# Altium PCB PCB-Tester-Board.PcbDoc (part 3 of 7) (continued)
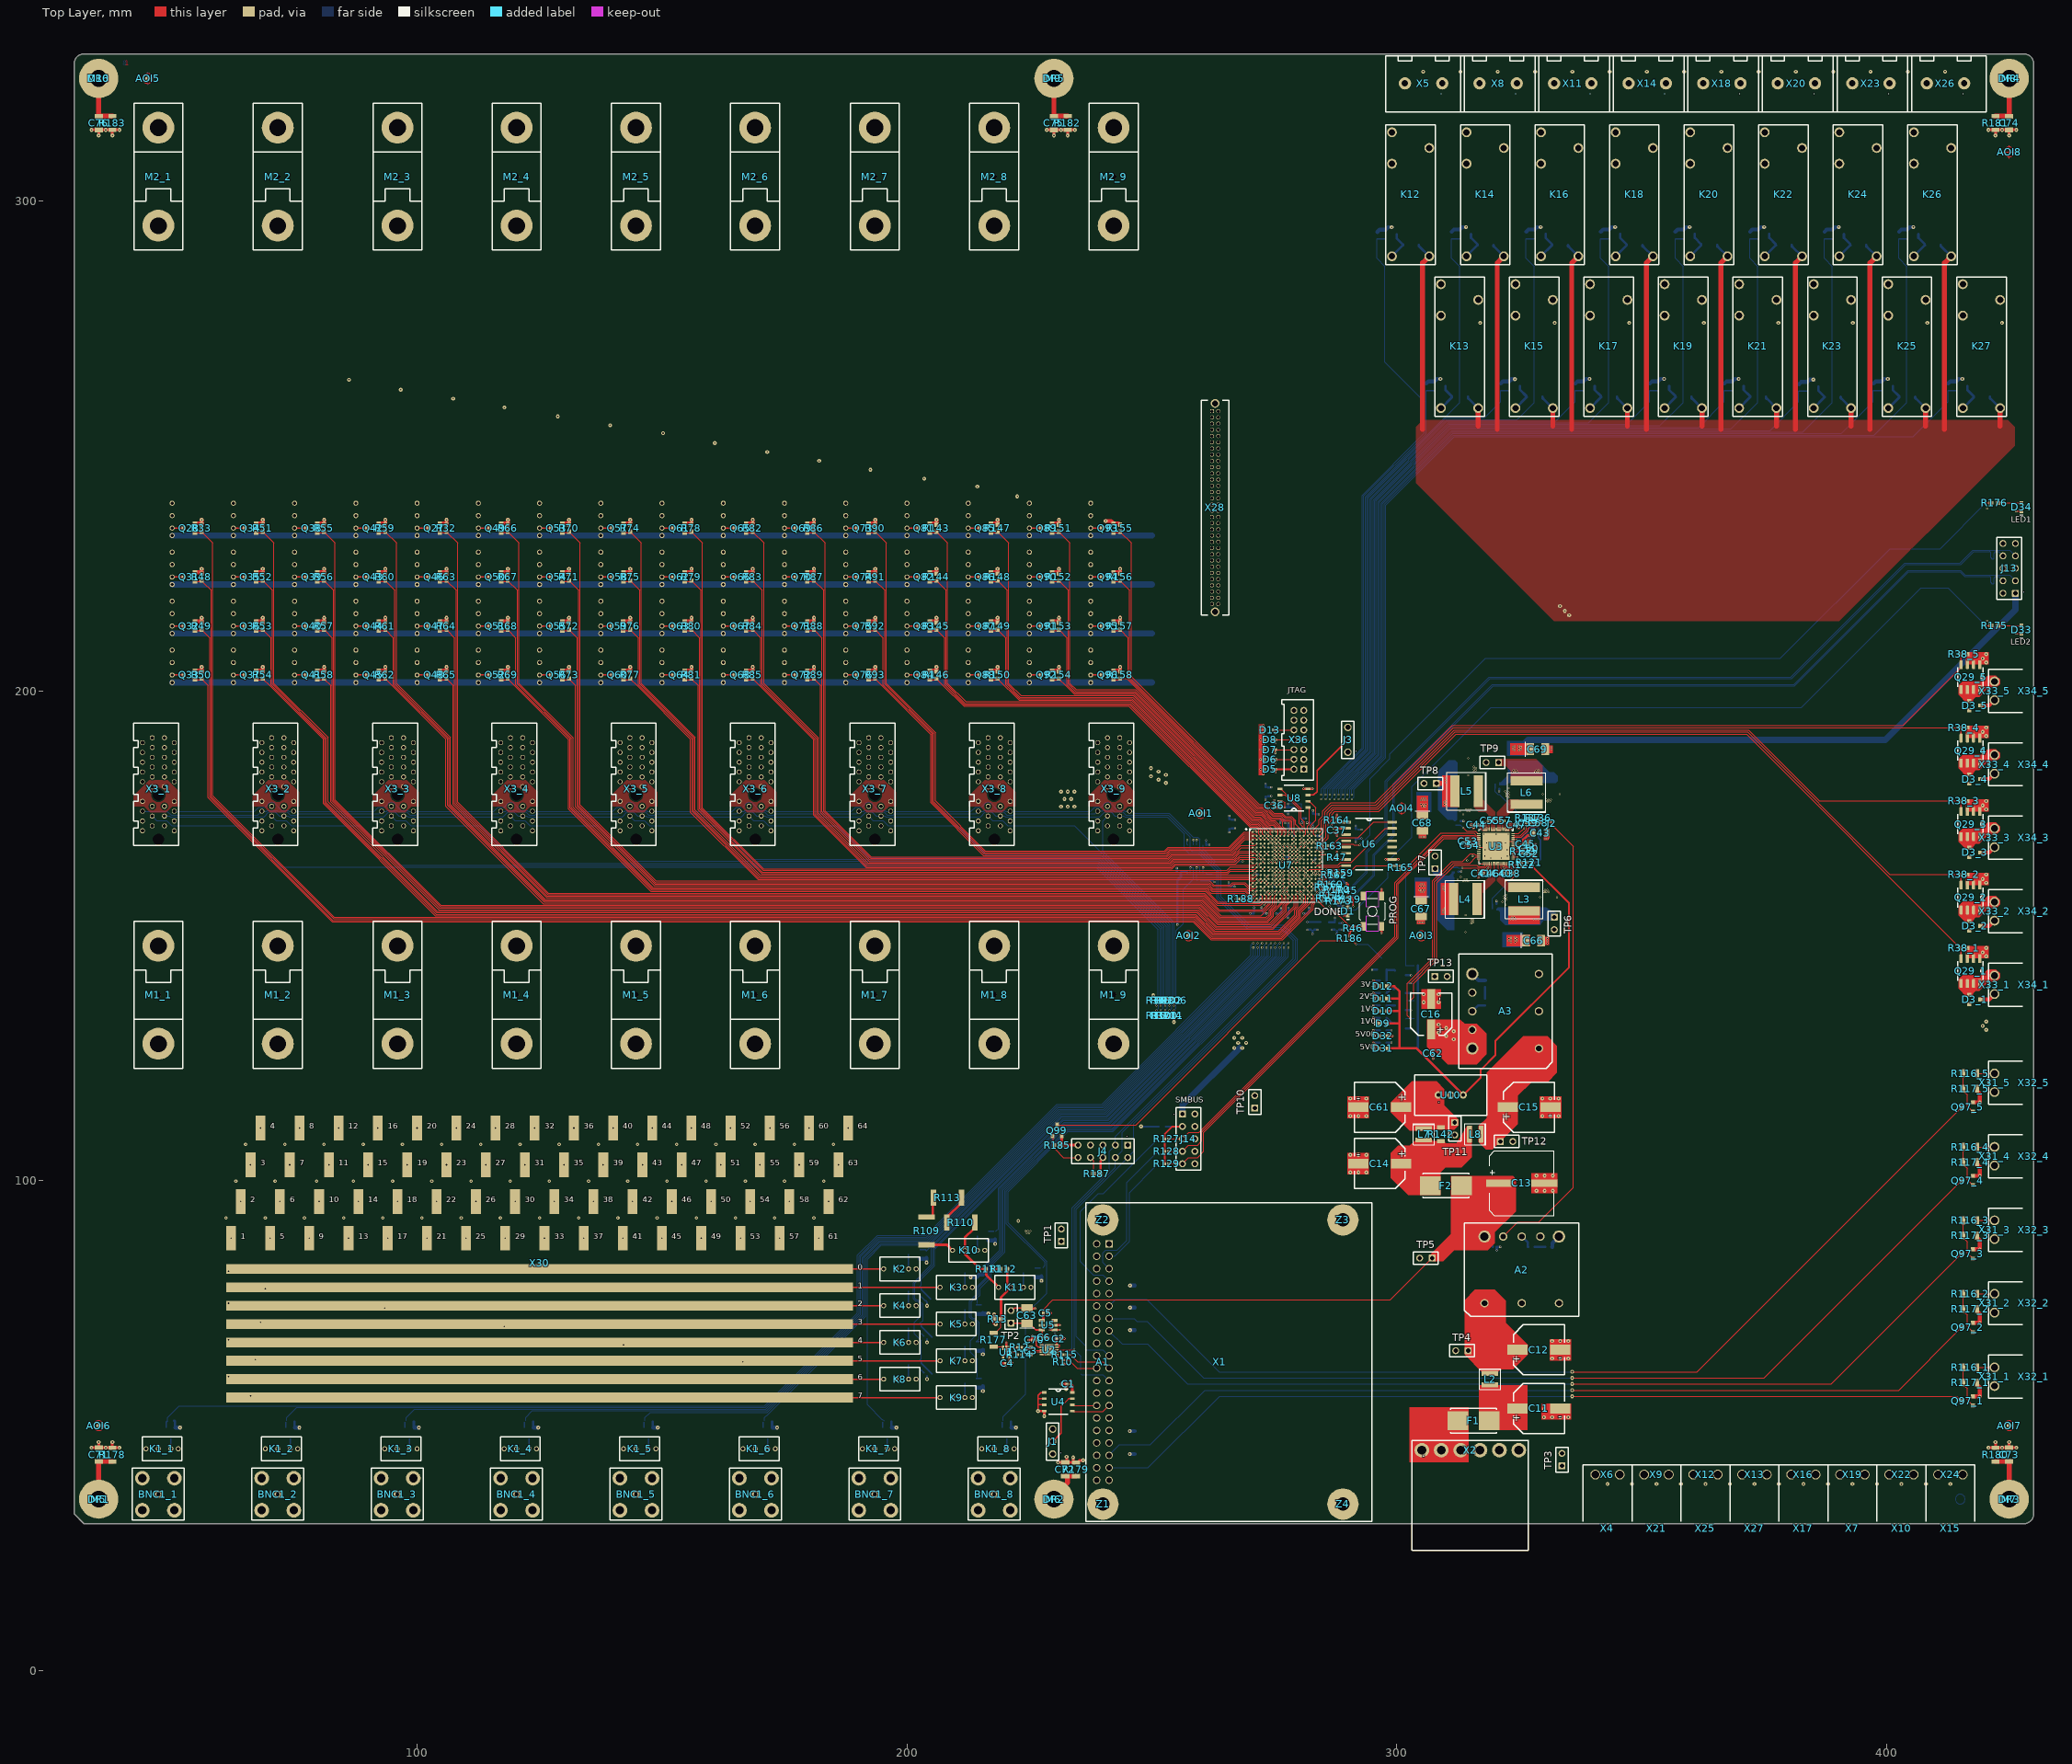
[diagram p0: Top Layer view]
## Nets (pads, with @x,y where several pads share a name; then routed paths per layer and width w, separated by ;. In a path a pad name is that pad's centre, name@x,y a point inside that pad or via, vN(x,y) a via of type N, cw(c..) or ccw(c..) an arc to the next point about the centre after c; other vN are vias at no path point) (continued)
  Top Layer w0.508: C4.1@221.041,62.8 v1(221.475,62.8)
  Bottom Layer w0.381: v1(328.025,164.999) 328.673,164.999 329.307,165.633 329.307,169.593 R125.2@328.9,170 R132.2@328.9,171 R139.2@328.9,172
  Bottom Layer w0.47: R138.2@304.3,143.92 R131.2@304.3,140.32 R124.2@304.3,136.783 R120.2@304.3,133.1 304.3,126.74 U10.3@313.54,117.5
5V0_ref_3: C6.1 C63.1 TP2.1 U2.1 U5.6 | length 10
  Top Layer w0.203: U2.1@227.5,66.5 227.552,66.5 227.6,66.548 C6.1@227.6,68
  Top Layer w0.25: TP2.1@221.227,70.95 C63.1@224.5,70.95
  Top Layer w0.305: C63.1@224.5,70.95 224.9,70.95 225.548,70.302 225.548,70.294 226.292,69.55 U5.6@227.5,69.55 227.6,69.45 C6.1@227.6,68
5V0R: A3.7 A3.8 C16.1 C62.1 D14.2 D15.2 D16.2 D17.2 D18.2 D19.2 D20.2 D21.2 D22.2 D23.2 D24.2 D25.2 D26.2 D27.2 D28.2 D29.2 D32.1 K1_1.1 K1_2.1 K1_3.1 K1_4.1 K1_5.1 K1_6.1 K1_7.1 K1_8.1 K2.1 K3.1 K4.1 K5.1 K6.1 K7.1 K8.1 K9.1 K10.1 K11.1 K12.1 K13.1 K14.1 K15.1 K16.1 K17.1 K18.1 K19.1 K20.1 K21.1 K22.1 K23.1 K24.1 K25.1 K26.1 K27.1 K28.1 K29.1 K30.1 K31.1 K32.1 K33.1 K34.1 K35.1 K36.1 K37.1 K38.1 K39.1 K40.1 K41.1 K42.1 K43.1 K44.1 K45.1 K46.1 K47.1 K48.1 K49.1 K50.1 K51.1 K52.1 K53.1 K54.1 K55.1 K56.1 K57.1 K58.1 K59.1 K60.1 K61.1 K62.1 K63.1 K64.1 K65.1 K66.1 K67.1 K68.1 K69.1 K70.1 K71.1 K72.1 K73.1 K74.1 K75.1 K76.1 K77.1 K78.1 K79.1 K80.1 K81.1 K82.1 K83.1 K84.1 K85.1 K86.1 K87.1 K88.1 K89.1 K90.1 K91.1 TP13.1 X3_1.A7 X3_1.A8 X3_1.A9 X3_1.B7 X3_1.B8 X3_1.B9 X3_2.A7 X3_2.A8 X3_2.A9 X3_2.B7 X3_2.B8 X3_2.B9 X3_3.A7 X3_3.A8 X3_3.A9 X3_3.B7 X3_3.B8 X3_3.B9 X3_4.A7 X3_4.A8 X3_4.A9 X3_4.B7 X3_4.B8 X3_4.B9 X3_5.A7 X3_5.A8 X3_5.A9 X3_5.B7 X3_5.B8 X3_5.B9 X3_6.A7 X3_6.A8 X3_6.A9 X3_6.B7 X3_6.B8 X3_6.B9 X3_7.A7 X3_7.A8 X3_7.A9 X3_7.B7 X3_7.B8 X3_7.B9 X3_8.A7 X3_8.A8 X3_8.A9 X3_8.B7 X3_8.B8 X3_8.B9 X3_9.A7 X3_9.A8 X3_9.A9 X3_9.B7 X3_9.B8 X3_9.B9 | length 1270.3
  Top Layer w0.508: D32.1@298.005,129.54 v1(299.104,129.54)
  Top Layer w1.016: 305.26,253.4 305.26,287.34 K12.1@306.62,288.7 ; 316.62,254.06 K13.1@316.62,257.7 ; 320.48,253.4 320.48,287.34 K14.1@321.84,288.7 ; 331.84,254.06 K15.1@331.84,257.7 ; 335.7,253.4 335.7,287.34 K16.1@337.06,288.7 ; 347.06,254.06 K17.1@347.06,257.7 ; 350.92,253.4 350.92,287.34 K18.1@352.28,288.7 ; 362.28,254.06 K19.1@362.28,257.7 ; 366.14,253.4 366.14,287.34 K20.1@367.5,288.7 ; 377.5,254.06 K21.1@377.5,257.7 ; 381.36,253.4 381.36,287.34 K22.1@382.72,288.7 ; 392.72,254.06 K23.1@392.72,257.7 ; 396.58,253.4 396.58,287.34 K24.1@397.94,288.7 ; 407.94,254.06 K25.1@407.94,257.7 ; 411.8,253.4 411.8,287.34 K26.1@413.16,288.7 ; 423.16,254.06 K27.1@423.16,257.7
  Inner4 w2.54: A3.8@315.4,127 325.906,137.506 325.906,144.075 327.394,145.563 331.17,145.563 335.3,149.692 335.3,215.3 v2(335.167,215.433) v2(334.3,216.3) v2(333.3,217.3)
  Bottom Layer w0.508: D14.2@304.5,291 304.5,290.736 304.591,290.644 304.675,290.644 K12.1@306.62,288.7 ; D15.2@314.5,260 314.5,259.736 314.591,259.644 314.675,259.644 K13.1@316.62,257.7 ; D16.2@319.72,291 319.72,290.736 319.811,290.644 319.895,290.644 K14.1@321.84,288.7 ; D17.2@329.72,260 329.72,259.736 329.811,259.644 329.895,259.644 K15.1@331.84,257.7 ; D18.2@334.94,291 334.94,290.736 335.031,290.644 335.115,290.644 K16.1@337.06,288.7 ; D19.2@344.94,260 344.94,259.736 345.031,259.644 345.115,259.644 K17.1@347.06,257.7 ; D20.2@350.16,291 350.16,290.736 350.251,290.644 350.335,290.644 K18.1@352.28,288.7 ; D21.2@360.16,260 360.16,259.736 360.251,259.644 360.335,259.644 K19.1@362.28,257.7 ; D22.2@365.38,291 365.38,290.736 365.471,290.644 365.555,290.644 K20.1@367.5,288.7 ; D23.2@375.38,260 375.38,259.736 375.471,259.644 375.555,259.644 K21.1@377.5,257.7 ; D24.2@380.6,291 380.6,290.736 380.691,290.644 380.775,290.644 K22.1@382.72,288.7 ; D25.2@390.6,260 D25.2@390.6,259.868 390.6,259.736 390.691,259.644 390.775,259.644 K23.1@392.72,257.7 ; D26.2@395.82,291 395.82,290.736 395.911,290.644 395.995,290.644 K24.1@397.94,288.7 ; D27.2@405.82,260 405.82,259.736 405.911,259.644 405.995,259.644 K25.1@407.94,257.7 ; D28.2@411.04,291 411.04,290.736 411.131,290.644 411.215,290.644 K26.1@413.16,288.7 ; D29.2@421.04,260 421.04,259.736 421.131,259.644 421.215,259.644 K27.1@423.16,257.7
  Bottom Layer w1.27: K31.1@50,201.698 K35.1@62.5,201.698 K39.1@75,201.698 K43.1@87.5,201.698 K47.1@100,201.698 K51.1@112.5,201.698 K55.1@125,201.698 K59.1@137.5,201.698 K63.1@150,201.698 K67.1@162.5,201.698 K71.1@175,201.698 K75.1@187.5,201.698 K79.1@200,201.698 K83.1@212.5,201.698 K87.1@225,201.698 K91.1@237.5,201.698 250,201.698 ; K30.1@50,211.698 K34.1@62.5,211.698 K38.1@75,211.698 K42.1@87.5,211.698 K46.1@100,211.698 K50.1@112.5,211.698 K54.1@125,211.698 K58.1@137.5,211.698 K62.1@150,211.698 K66.1@162.5,211.698 K70.1@175,211.698 K74.1@187.5,211.698 K78.1@200,211.698 K82.1@212.5,211.698 K86.1@225,211.698 K90.1@237.5,211.698 250,211.698 ; K29.1@50,221.698 K33.1@62.5,221.698 K37.1@75,221.698 K41.1@87.5,221.698 K45.1@100,221.698 K49.1@112.5,221.698 K53.1@125,221.698 K57.1@137.5,221.698 K61.1@150,221.698 K65.1@162.5,221.698 K69.1@175,221.698 K73.1@187.5,221.698 K77.1@200,221.698 K81.1@212.5,221.698 K85.1@225,221.698 K89.1@237.5,221.698 250,221.698 ; K28.1@50,231.698 K32.1@62.5,231.698 K36.1@75,231.698 K40.1@87.5,231.698 K44.1@100,231.698 K48.1@112.5,231.698 K52.1@125,231.698 K56.1@137.5,231.698 K60.1@150,231.698 K64.1@162.5,231.698 K68.1@175,231.698 K72.1@187.5,231.698 K76.1@200,231.698 K80.1@212.5,231.698 K84.1@225,231.698 K88.1@237.5,231.698 250,231.698
  other v1: 224.471,89.294 224.954,89.294 224.217,89.7 224.7,89.7 225.183,89.7
  other v2: 311.619,128.869 310.079,129.546 308.54,130.223 311.619,130.52 310.079,131.197 308.54,131.874 252.879,181.195 251.34,181.872 249.8,182.549 252.879,182.846 251.34,183.523 249.8,184.2
12V0: A2.8 C5.1 C7.1 C8.1 C13.1 C18.1 C19.1 C20.1 C21.1 C22.1 C23.1 C38.1 C39.1 C41.1 C43.1 C44.1 C45.1 C47.1 F2.1 J2.1 J14.1 TP5.1 U3.1 U3.12 U3.32 U3.39 U3.49 U5.4 X3_1.A11 X3_1.A12 X3_1.B11 X3_1.B12 X3_2.A11 X3_2.A12 X3_2.B11 X3_2.B12 X3_3.A11 X3_3.A12 X3_3.B11 X3_3.B12 X3_4.A11 X3_4.A12 X3_4.B11 X3_4.B12 X3_5.A11 X3_5.A12 X3_5.B11 X3_5.B12 X3_6.A11 X3_6.A12 X3_6.B11 X3_6.B12 X3_7.A11 X3_7.A12 X3_7.B11 X3_7.B12 X3_8.A11 X3_8.A12 X3_8.B11 X3_8.B12 X3_9.A11 X3_9.A12 X3_9.B11 X3_9.B12 | length 115.4
  Top Layer w0.203: C5.1@227.85,73 227.85,73.75 229.8,75.7 298.7,75.7 TP5.1@307.2,84.2
  Top Layer w0.22: v1(318.642,163.855) 318.85,164.062 U3.32@318.85,164.75 ; U3.39@321.65,164.75 321.65,164.062 v1(321.858,163.855) ; U3.49@323.75,168.05 324.733,168.05 325.023,168.34
  Top Layer w0.254: v1(331.076,173.212) J2.1@331.622,173.212
  Top Layer w0.381: 317.779,163.119 318.05,163.39 318.177,163.39 ; v1@322.45,163.39 322.721,163.119 ; 325.023,168.34 325.349,168.665 325.766,168.665 C45.1@325.85,168.75
  Top Layer w0.406: 318.177,163.39 v1(318.642,163.855) ; v1(321.858,163.855) 322.323,163.39
  Top Layer w0.508: U5.4@227.5,71.45 227.794,71.45 227.85,71.506 C5.1@227.85,73 ; C45.1@325.85,168.75 325.85,169.64 326.707,170.497 327.629,170.497 327.85,170.718 C43.1@327.85,171
  Bottom Layer w0.508: C39.1@319.579,86.521 C39.1@319.6,86.5
  Bottom Layer w1.27: J14.1@256.23,113.62 256.23,115.44 267.9,127.11
  other v1: 317.449,163.398 317.906,163.398 322.594,163.398 323.051,163.398 318.325,163.524 322.175,163.524 327.025,170.485 317.45,172.434 317.925,172.434 322.575,172.434 323.05,172.434 317.45,173 317.932,173 322.568,173 323.05,173
  other v2: 266.807,127.11 268.458,127.11 267.577,128.14 269.228,128.14 266.807,129.169 268.458,129.169 267.577,130.199 231.469,176.36 232.823,176.36 234.177,176.36 232.146,177.9 233.5,177.9 231.469,179.44 232.823,179.44 234.177,179.44
24V0: D3_1.3 D3_2.3 D3_3.3 D3_4.3 D3_5.3 F1.1 TP3.1 X2.1 X2.2 X2.3 X31_1.1 X31_2.1 X31_3.1 X31_4.1 X31_5.1 X33_1.1 X33_2.1 X33_3.1 X33_4.1 X33_5.1 | length 16.5
  Top Layer w0.8: D3_1.3@419.15,137 420.905,137 X33_1.1@422,138.095 ; D3_2.3@419.15,152 420.905,152 X33_2.1@422,153.095 ; D3_3.3@419.15,167 420.905,167 X33_3.1@422,168.095 ; D3_4.3@419.15,182 420.905,182 X33_4.1@422,183.095 ; D3_5.3@419.15,197 420.905,197 X33_5.1@422,198.095
\CS0: R10.1 U2.6 X1.22 | length 9.5
  Top Layer w0.152: U2.6@230.5,64.5 230.71,64.5 230.784,64.426 230.784,64.216 231.441,63.559 231.691,63.559 R10.1@231.85,63.4 233.052,63.4 234.722,61.73 X1.22@238.724,61.73
\CS1: R11.1 U11.1 U11.4 U11.10 U11.12 U11.13 X1.33 | length 141
  Top Layer w0.152: R11.1@254.486,134.088 v1(254.486,134.807)
  Inner5 w0.152: X1.33@241.264,46.49 253.326,58.553 253.326,67.783 253.327,133.255 254.486,134.415 v1(254.486,134.807) ; v1(257.85,163.921) 257.85,168.921 v1(257.2,169.571) 257.708,170.079 258.642,170.079 v1(259.15,169.571)
  Bottom Layer w0.152: v1(254.486,134.807) 254.933,135.253 254.933,151.034 256.391,152.493 256.391,159.497 258.5,161.606 258.5,162.85 258.5,163.676 258.255,163.921 v1(257.85,163.921) ; v1(257.2,169.571) 257.2,168.6 U11.1@257.25,168.55 ; U11.13@257.85,162.85 v1(257.85,163.921) ; U11.4@259.15,168.5 v1(259.15,169.571) ; U11.10@259.8,162.85 259.8,164.049 259.369,164.48 258.07,164.48 257.85,164.259 v1(257.85,163.921)
\CS2_1: R34.1 X1.8 X3_1.B15 | length 293.7
  Top Layer w0.152: v1(250.914,135.7) R34.1@250.914,136.419
  Inner5 w0.152: X1.8@238.724,79.51 240.049,80.836 240.049,85.149 240.728,85.828 242.457,85.828 250.473,93.845 250.473,135.26 v1(250.914,135.7)
  Bottom Layer w0.152: X3_1.B15@45.938,174.428 46.848,173.517 48.867,173.517 49.947,172.437 63.933,172.437 72.373,163.997 238.588,163.997 251.296,151.288 251.296,137.201 250.914,136.819 v1(250.914,135.7)
\CS3_1: R35.1 X1.10 X3_2.B15 | length 273
  Top Layer w0.152: R35.1@250.914,134.088 v1(250.914,134.807)
  Inner5 w0.152: X1.10@238.724,76.97 240.049,78.296 240.049,80.26 240.594,80.805 243.256,80.805 250.801,88.35 250.801,134.301 250.914,134.415 v1(250.914,134.807)
  Bottom Layer w0.152: X3_2.B15@70.313,174.428 71.223,173.517 73.242,173.517 74.322,172.437 88.308,172.437 96.344,164.401 238.755,164.401 251.7,151.456 251.7,137.045 251.36,136.705 251.36,135.253 v1(250.914,134.807)
\CS4_1: R36.1 X1.12 X3_3.B15 | length 251.8
  Top Layer w0.152: v1(251.807,135.7) R36.1@251.807,136.419
  Inner5 w0.152: X1.12@238.724,74.43 240.049,75.756 240.049,77.72 240.625,78.296 243.272,78.296 251.105,86.129 251.105,134.175 251.36,134.431 251.36,135.253 v1(251.807,135.7)
  Bottom Layer w0.152: X3_3.B15@94.75,174.428 95.661,173.517 97.679,173.517 98.76,172.437 112.745,172.437 120.377,164.805 238.923,164.805 252.104,151.623 252.104,136.898 251.807,136.6 v1(251.807,135.7)
\CS5_1: R37.1 X1.16 X3_4.B15 | length 233.2
  Top Layer w0.152: R37.1@251.807,134.088 v1(251.807,134.807)
  Inner5 w0.152: X1.16@238.724,69.35 240.049,70.676 240.049,72.64 240.625,73.216 243.186,73.216 244.4,74.43 251.432,81.462 251.432,134.04 251.807,134.415 v1(251.807,134.807)
  Bottom Layer w0.152: X3_4.B15@119.062,174.428 119.973,173.517 121.992,173.517 123.072,172.437 137.058,172.437 144.286,165.209 239.09,165.209 252.508,151.79 252.508,136.756 252.253,136.501 252.253,135.253 v1(251.807,134.807)
\CS6_1: R98.1 X1.18 X3_5.B15 | length 212.1
  Top Layer w0.152: v1(252.7,135.7) R98.1@252.7,136.419
  Inner5 w0.152: X1.18@238.724,66.81 240.049,68.136 242.655,68.136 251.736,77.217 251.736,133.914 252.253,134.431 252.253,135.253 v1(252.7,135.7)
  Bottom Layer w0.152: X3_5.B15@143.438,174.428 144.348,173.517 146.367,173.517 147.447,172.437 161.433,172.437 168.257,165.613 239.257,165.613 252.912,151.958 252.912,136.636 252.7,136.424 v1(252.7,135.7)
\CS7_1: R100.1 X1.24 X3_6.B15 | length 195.8
  Top Layer w0.152: R100.1@252.7,134.088 v1(252.7,134.807)
  Inner5 w0.152: X1.24@238.724,59.19 240.049,60.516 242.202,60.516 252.064,70.378 252.064,133.778 252.7,134.415 v1(252.7,134.807)
  Bottom Layer w0.152: X3_6.B15@167.75,174.428 168.661,173.517 170.679,173.517 171.76,172.437 185.745,172.437 192.165,166.017 239.425,166.017 253.317,152.125 253.317,136.468 253.147,136.298 253.147,135.253 v1(252.7,134.807)
\CS8_1: R102.1 X1.26 X3_7.B15 | length 174.5
  Top Layer w0.152: v1(253.593,135.7) R102.1@253.593,136.419
  Inner5 w0.152: X1.26@238.724,56.65 240.049,57.976 242.209,57.976 252.368,68.134 252.368,133.652 253.147,134.431 253.147,135.253 v1(253.593,135.7)
  Bottom Layer w0.152: X3_7.B15@192.188,174.428 193.098,173.517 195.117,173.517 196.197,172.437 210.183,172.437 216.199,166.421 239.592,166.421 253.721,152.292 253.721,136.326 253.593,136.198 v1(253.593,135.7)
\CS9_1: R104.1 X1.29 X3_8.B15 | length 153.6
  Top Layer w0.152: R104.1@253.593,134.088 v1(253.593,134.807)
  Inner5 w0.152: X1.29@241.264,51.57 252.695,63.001 252.695,67.783 252.695,133.517 253.593,134.415 v1(253.593,134.807)
  Bottom Layer w0.152: X3_8.B15@216.563,174.428 217.473,173.517 219.492,173.517 220.572,172.437 234.148,172.437 254.125,152.46 254.125,136.113 254.058,136.046 254.058,135.214 v1@253.611,134.767
\CS10_1: R106.1 X1.31 X3_9.B15 | length 138.1
  Top Layer w0.152: v1@254.507,135.721 R106.1@254.507,136.44
  Inner5 w0.152: X1.31@241.264,49.03 252.999,60.766 252.999,67.783 252.999,133.391 254.04,134.431 254.04,135.253 v1(254.486,135.7)
  Bottom Layer w0.152: X3_9.B15@240.938,174.428 239.955,173.445 239.955,167.2 254.529,152.627 254.529,135.742 v1(254.486,135.7)
ABUS0: K1_1.4 K2.4 X3_1.A5 X3_2.A5 X3_3.A5 X3_4.A5 X3_5.A5 X3_6.A5 X3_7.A5 X3_8.A5 X3_9.A5 X30.ABUS0 | length 437.8
  Top Layer w0.254: X30.ABUS0@125,82 K2.4@195.25,82
  Inner2 w0.254: K1_1.4@44.648,45.271 44.648,64.648 v2(61.5,81.5)
  Inner5 w0.203: v2(61.5,81.5) 61.5,86.408 38.909,108.999 38.909,183.285 42.052,186.428 44.505,186.428 45.495,185.438 47.448,185.438 X3_1.A5@48.438,186.428 68.88,186.428 69.87,185.438 71.823,185.438 X3_2.A5@72.813,186.428 93.255,186.428 94.245,185.438 96.198,185.438 X3_3.A5@97.188,186.428 ; X3_3.A5@97.25,186.428 117.693,186.428 118.683,185.438 120.635,185.438 X3_4.A5@121.625,186.428 ; X3_4.A5@121.563,186.428 X3_4.A5@121.625,186.428 ; X3_6.A5@170.25,186.428 X3_6.A5@170.313,186.428 ; X3_7.A5@194.625,186.428 193.635,185.438 191.683,185.438 190.693,186.428 X3_6.A5@170.313,186.428 ; X3_7.A5@194.688,186.428 215.13,186.428 216.12,185.438 218.073,185.438 X3_8.A5@219.063,186.428 239.505,186.428 240.495,185.438 242.448,185.438 X3_9.A5@243.438,186.428 ; X3_4.A5@121.625,186.428 142.005,186.428 142.995,185.438 144.948,185.438 X3_5.A5@145.938,186.428 166.38,186.428 167.37,185.438 169.323,185.438 X3_6.A5@170.313,186.428
ABUS1: K1_2.4 K3.4 X3_1.B5 X3_2.B5 X3_3.B5 X3_4.B5 X3_5.B5 X3_6.B5 X3_7.B5 X3_8.B5 X3_9.B5 X30.ABUS1 | length 441.2
  Top Layer w0.254: X30.ABUS1@125,78.25 K3.4@206.75,78.25 K3.4@206.762,78.25
  Inner2 w0.203: v2(69.023,77.977) 69.023,79.578 39.399,109.201 39.399,183.083 42.744,186.428 X3_1.B5@45.938,186.428 46.927,185.438 48.88,185.438 49.87,186.428 X3_2.B5@70.313,186.428 71.302,185.438 73.255,185.438 74.245,186.428 X3_3.B5@94.688,186.428 ; X3_3.B5@94.75,186.428 95.74,185.438 97.692,185.438 98.682,186.428 X3_4.B5@119.062,186.428 120.052,185.438 122.005,185.438 122.995,186.428 X3_5.B5@143.438,186.428 144.427,185.438 146.38,185.438 147.37,186.428 X3_6.B5@167.75,186.428 168.74,185.438 170.692,185.438 171.682,186.428 X3_7.B5@192.125,186.428 ; X3_7.B5@192.188,186.428 193.178,185.438 195.13,185.438 196.12,186.428 X3_8.B5@216.563,186.428 217.553,185.438 219.505,185.438 220.495,186.428 X3_9.B5@240.938,186.428
  Inner2 w0.254: K1_2.4@69.023,45.271 v2(69.023,77.977)
ABUS2: K1_3.4 K4.4 X3_1.A4 X3_2.A4 X3_3.A4 X3_4.A4 X3_5.A4 X3_6.A4 X3_7.A4 X3_8.A4 X3_9.A4 X30.ABUS2 | length 433.4
  Top Layer w0.254: X30.ABUS2@125,74.5 K4.4@195.25,74.5
  Inner2 w0.254: K1_3.4@93.398,45.271 v2(93.398,74)
  Inner5 w0.203: v2(61.5,75) 60.5,76 60.5,85.994 37.909,108.584 37.909,183.699 42.583,188.373 44.611,188.373 45.556,187.428 X3_1.A4@50.438,187.428 66.619,187.428 67.564,188.373 68.986,188.373 69.931,187.428 X3_2.A4@74.813,187.428 90.994,187.428 91.939,188.373 93.361,188.373 94.306,187.428 X3_3.A4@99.188,187.428 ; X3_3.A4@99.25,187.428 115.431,187.428 116.377,188.373 117.799,188.373 118.744,187.428 X3_4.A4@123.563,187.428 139.744,187.428 140.689,188.373 142.111,188.373 143.056,187.428 X3_5.A4@147.938,187.428 164.119,187.428 165.064,188.373 166.486,188.373 167.431,187.428 X3_6.A4@172.25,187.428 188.431,187.428 189.376,188.373 190.799,188.373 191.744,187.428 X3_7.A4@196.625,187.428 ; X3_7.A4@196.688,187.428 212.869,187.428 213.814,188.373 215.236,188.373 216.181,187.428 X3_8.A4@221.063,187.428 237.244,187.428 238.189,188.373 239.611,188.373 240.556,187.428 X3_9.A4@245.438,187.428
ABUS3: K1_4.4 K5.4 X3_1.B4 X3_2.B4 X3_3.B4 X3_4.B4 X3_5.B4 X3_6.B4 X3_7.B4 X3_8.B4 X3_9.B4 X30.ABUS3 | length 439.7
  Top Layer w0.254: X30.ABUS3@125,70.75 K5.4@206.75,70.75 K5.4@206.76,70.75
  Inner2 w0.203: v2(68.023,71.1) 68.023,79.163 38.399,108.787 38.399,183.497 42.33,187.428 X3_1.B4@43.937,187.428 48.819,187.428 49.764,188.373 51.186,188.373 52.131,187.428 X3_2.B4@68.312,187.428 73.194,187.428 74.139,188.373 75.561,188.373 76.506,187.428 X3_3.B4@92.688,187.428 ; X3_3.B4@92.75,187.428 97.631,187.428 98.576,188.373 99.999,188.373 100.944,187.428 X3_4.B4@117.062,187.428 121.944,187.428 122.889,188.373 124.311,188.373 125.256,187.428 X3_5.B4@141.437,187.428 146.319,187.428 147.264,188.373 148.686,188.373 149.631,187.428 X3_6.B4@165.75,187.428 170.631,187.428 171.576,188.373 172.999,188.373 173.944,187.428 X3_7.B4@190.125,187.428 ; X3_7.B4@190.188,187.428 195.069,187.428 196.014,188.373 197.436,188.373 198.381,187.428 X3_8.B4@214.562,187.428 219.444,187.428 220.389,188.373 221.811,188.373 222.756,187.428 X3_9.B4@238.938,187.428
  Inner2 w0.254: K1_4.4@117.773,45.271 v2(117.773,70.228)
ABUS4: K1_5.4 K6.4 X3_1.A3 X3_2.A3 X3_3.A3 X3_4.A3 X3_5.A3 X3_6.A3 X3_7.A3 X3_8.A3 X3_9.A3 X30.ABUS4 | length 441.4
  Top Layer w0.254: X30.ABUS4@125,67 K6.4@195.25,67
  Inner2 w0.254: K1_5.4@142.148,45.271 v2(142.148,66.5)
  Inner5 w0.203: v2(61.5,67.5) 59.5,69.5 59.5,85.58 36.909,108.17 36.909,184.114 43.224,190.428 44.404,190.428 45.404,189.428 46.333,189.428 47.333,188.428 X3_1.A3@48.438,188.428 65.855,188.428 67.855,190.428 68.779,190.428 69.779,189.428 70.708,189.428 71.708,188.428 X3_2.A3@72.813,188.428 90.23,188.428 92.23,190.428 93.154,190.428 94.154,189.428 95.083,189.428 96.083,188.428 X3_3.A3@97.188,188.428 ; X3_3.A3@97.25,188.428 114.667,188.428 116.667,190.428 117.592,190.428 118.592,189.428 119.521,189.428 120.521,188.428 X3_4.A3@121.563,188.428 138.98,188.428 140.98,190.428 141.904,190.428 142.904,189.428 143.833,189.428 144.833,188.428 X3_5.A3@145.938,188.428 163.355,188.428 165.355,190.428 166.279,190.428 167.279,189.428 168.208,189.428 169.208,188.428 X3_6.A3@170.25,188.428 187.667,188.428 189.667,190.428 190.592,190.428 191.592,189.428 192.521,189.428 193.521,188.428 X3_7.A3@194.625,188.428 ; X3_7.A3@194.688,188.428 212.105,188.428 214.105,190.428 215.029,190.428 216.029,189.428 216.958,189.428 217.958,188.428 X3_8.A3@219.063,188.428 236.48,188.428 238.48,190.428 239.404,190.428 240.404,189.428 241.333,189.428 242.333,188.428 X3_9.A3@243.438,188.428
ABUS5: K1_6.4 K7.4 X3_1.B3 X3_2.B3 X3_3.B3 X3_4.B3 X3_5.B3 X3_6.B3 X3_7.B3 X3_8.B3 X3_9.B3 X30.ABUS5 | length 450.7
  Top Layer w0.254: X30.ABUS5@125,63.25 K7.4@206.75,63.25
  Inner2 w0.203: v2(67.023,63.5) 67.023,78.749 37.399,108.373 37.399,183.911 41.916,188.428 X3_1.B3@45.938,188.428 47.042,188.428 48.042,189.428 48.971,189.428 49.971,190.428 50.895,190.428 52.895,188.428 X3_2.B3@70.313,188.428 71.417,188.428 72.417,189.428 73.346,189.428 74.346,190.428 75.27,190.428 77.27,188.428 X3_3.B3@94.688,188.428 ; X3_3.B3@94.75,188.428 95.854,188.428 96.854,189.428 97.783,189.428 98.783,190.428 99.708,190.428 101.708,188.428 X3_4.B3@119.062,188.428 120.167,188.428 121.167,189.428 122.096,189.428 123.096,190.428 124.02,190.428 126.02,188.428 X3_5.B3@143.438,188.428 144.542,188.428 145.542,189.428 146.471,189.428 147.471,190.428 148.395,190.428 150.395,188.428 X3_6.B3@167.75,188.428 168.854,188.428 169.854,189.428 170.783,189.428 171.783,190.428 172.708,190.428 174.708,188.428 X3_7.B3@192.125,188.428 ; X3_7.B3@192.188,188.428 193.292,188.428 194.292,189.428 195.221,189.428 196.221,190.428 197.145,190.428 199.145,188.428 X3_8.B3@216.563,188.428 217.667,188.428 218.667,189.428 219.596,189.428 220.596,190.428 221.52,190.428 223.52,188.428 X3_9.B3@240.938,188.428
  Inner2 w0.254: K1_6.4@166.523,45.271 v2(166.523,63)
ABUS6: K1_7.4 K8.4 X3_1.A2 X3_2.A2 X3_3.A2 X3_4.A2 X3_5.A2 X3_6.A2 X3_7.A2 X3_8.A2 X3_9.A2 X30.ABUS6 | length 448.4
  Top Layer w0.254: X30.ABUS6@125,59.5 K8.4@195.25,59.5
  Inner2 w0.254: K1_7.4@190.898,45.271 190.898,55.148 K8.4@195.25,59.5
  Inner5 w0.203: v2(61.5,60) 58.5,63 58.5,85.165 35.909,107.756 35.909,184.528 42.897,191.516 46.096,191.516 48.184,189.428 X3_1.A2@50.438,189.428 65.537,189.428 67.625,191.516 70.471,191.516 72.559,189.428 X3_2.A2@74.813,189.428 89.912,189.428 92,191.516 94.846,191.516 96.934,189.428 X3_3.A2@99.188,189.428 ; X3_3.A2@99.25,189.428 114.349,189.428 116.437,191.516 119.284,191.516 121.372,189.428 X3_4.A2@123.563,189.428 138.662,189.428 140.75,191.516 143.596,191.516 145.684,189.428 X3_5.A2@147.938,189.428 163.037,189.428 165.125,191.516 167.971,191.516 170.059,189.428 X3_6.A2@172.25,189.428 187.349,189.428 189.437,191.516 192.284,191.516 194.372,189.428 X3_7.A2@196.625,189.428 ; X3_7.A2@196.688,189.428 211.787,189.428 213.875,191.516 216.721,191.516 218.809,189.428 X3_8.A2@221.063,189.428 236.162,189.428 238.25,191.516 241.096,191.516 243.184,189.428 X3_9.A2@245.438,189.428
ABUS7: K1_8.4 K9.4 X3_1.B2 X3_2.B2 X3_3.B2 X3_4.B2 X3_5.B2 X3_6.B2 X3_7.B2 X3_8.B2 X3_9.B2 X30.ABUS7 | length 454.6
  Top Layer w0.254: X30.ABUS7@125,55.75 K9.4@206.75,55.75
  Inner2 w0.203: v2(66.023,56.1) 66.023,78.335 36.399,107.959 36.399,184.325 41.501,189.428 X3_1.B2@43.937,189.428 46.191,189.428 48.279,191.516 51.125,191.516 53.213,189.428 X3_2.B2@68.312,189.428 70.566,189.428 72.654,191.516 75.5,191.516 77.588,189.428 X3_3.B2@92.688,189.428 ; X3_3.B2@92.75,189.428 95.003,189.428 97.091,191.516 99.938,191.516 102.026,189.428 X3_4.B2@117.062,189.428 119.316,189.428 121.404,191.516 124.25,191.516 126.338,189.428 X3_5.B2@141.437,189.428 143.691,189.428 145.779,191.516 148.625,191.516 150.713,189.428 X3_6.B2@165.75,189.428 168.003,189.428 170.091,191.516 172.938,191.516 175.026,189.428 X3_7.B2@190.125,189.428 ; X3_7.B2@190.188,189.428 192.441,189.428 194.529,191.516 197.375,191.516 199.463,189.428 X3_8.B2@214.562,189.428 216.816,189.428 218.904,191.516 221.75,191.516 223.838,189.428 X3_9.B2@238.938,189.428
  Inner2 w0.254: K9.4@206.75,55.75 206.75,53.794 K1_8.4@215.273,45.271
AVDD_3: C64.1 C70.1 U2.2 U9.2 | length 4.9
  Top Layer w0.3: C70.1@226.4,67.5 226.4,66.425 226.825,66 U2.2@227.5,66
  Top Layer w0.508: C70.1@226.4,67.5 226.421,67.521 226.421,67.881 v1(226.719,68.179)
  Bottom Layer w0.508: C64.1@226.4,67.5 226.421,67.521 226.421,67.881 v1(226.719,68.179) 227.404,68.179 U9.2@227.55,68.325
DRV1: Q1.1 R2.2 U7.T9 | length 110.6
  Top Layer w0.152: v1(276.6,158.8) U7.T9@277,159.2
  Inner5 w0.152: v1(273.379,147.607) 273.826,148.053 273.826,152.746 274.831,153.752 274.831,154.876 276.6,156.645 v1(276.6,158.8)
  Bottom Layer w0.152: R2.2@204,85.68 204,85.73 231.548,113.278 240.753,113.278 273.379,145.905 v1(273.379,147.607)
  Bottom Layer w0.254: Q1.1@202.63,85.93 203.75,85.93 R2.2@204,85.68
DRV2: Q2.1 R3.2 U7.P15 | length 113.7
  Top Layer w0.152: U7.P15@281.8,160.8 v1(282.2,161.2)
  Inner5 w0.152: v1(276.058,148.5) 276.058,150.222 279.264,153.427 279.264,155.079 281.108,156.924 281.108,159.092 280.906,159.294 280.906,159.906 v1(282.2,161.2)
  Bottom Layer w0.152: R3.2@215.535,82.33 215.535,82.38 215.859,82.704 218.996,85.841 218.996,98.413 232.225,111.643 241.43,111.643 275.612,145.825 275.612,148.053 v1(276.058,148.5)
  Bottom Layer w0.254: Q2.1@214.13,82.18 R3.2@215.25,82.18
DRV3: Q3.1 R4.2 U7.T13 | length 121.8
  Top Layer w0.152: U7.T13@280.2,159.2 v1(280.6,158.8)
  Inner5 w0.152: v1(275.165,148.5) 275.165,150.222 278.571,153.627 278.571,155.305 279.715,156.45 279.715,157.915 v1(280.6,158.8)
  Bottom Layer w0.152: Q3.1@202.63,78.43 202.909,78.709 202.909,79.89 205.669,82.65 205.669,86.011 231.954,112.297 241.159,112.297 274.719,145.857 274.719,148.053 v1(275.165,148.5)
  Bottom Layer w0.254: Q3.1@202.89,78.17 202.89,77.76 R4.2@204.877,75.773
DRV4: Q4.1 R5.2 U7.R17 | length 120.4
  Top Layer w0.152: v1(283,159.6) U7.R17@283.4,160
  Inner5 w0.152: v1(276.951,147.607) 277.398,148.053 277.398,150.206 280.242,153.05 280.242,154.636 283.342,157.736 283.342,159.258 v1(283,159.6)
  Bottom Layer w0.152: Q4.1@214.409,74.959 214.409,76.14 214.925,76.656 214.925,78.061 217.169,80.305 217.169,82.627 219.977,85.434 219.977,98.007 232.632,110.662 241.836,110.662 276.951,145.777 v1(276.951,147.607)
  Bottom Layer w0.254: Q4.1@214.13,74.68 R5.2@215.25,74.68
DRV5: Q5.1 R6.2 U7.R10 | length 131.2
  Top Layer w0.152: v1(277.4,159.6) U7.R10@277.8,160
  Inner5 w0.152: v1(274.272,147.607) 274.719,148.053 274.719,152.746 277.23,155.258 277.23,157.93 277.87,158.57 277.87,159.13 v1(277.4,159.6)
  Bottom Layer w0.152: Q5.1@202.63,70.93 202.68,70.93 203.253,71.503 203.253,74.761 202.308,75.705 201.943,75.705 201.627,76.021 201.627,79.071 205.342,82.786 205.342,86.147 231.819,112.624 241.024,112.624 274.272,145.873 v1(274.272,147.607)
  Bottom Layer w0.254: Q5.1@202.89,70.67 202.89,70.26 204.877,68.273 204.927,68.273 R6.2@205.2,68
DRV6: Q6.1 R7.2 U7.T15 | length 128.4
  Top Layer w0.152: U7.T15@281.8,159.2 v1(282.2,158.8)
  Inner5 w0.152: v1(276.951,148.5) 276.951,150.222 279.895,153.165 279.895,154.818 281.74,156.662 281.74,158.34 v1(282.2,158.8)
  Bottom Layer w0.152: Q6.1@214.18,67.18 214.753,67.753 214.753,71.011 213.808,71.955 213.443,71.955 213.127,72.271 213.127,75.321 214.598,76.792 214.598,78.196 216.842,80.441 216.842,82.762 219.65,85.57 219.65,98.142 232.496,110.989 241.701,110.989 276.505,145.793 276.505,148.053 v1(276.951,148.5)
  Bottom Layer w0.254: Q6.1@214.13,67.18 214.18,67.18 R7.2@215.25,67.18
DRV7: Q7.1 R8.2 U7.T10 | length 139
  Top Layer w0.152: v1(277.4,158.8) U7.T10@277.8,159.2
  Inner5 w0.152: v1(274.272,148.5) 274.272,152.762 276.913,155.403 276.913,158.313 v1(277.4,158.8)
  Bottom Layer w0.152: Q7.1@202.63,63.43 202.89,63.69 202.89,67.323 201.48,68.733 201.48,71.112 202.901,72.533 202.901,74.65 202.173,75.378 201.807,75.378 201.3,75.886 201.3,79.206 205.015,82.921 205.015,86.282 231.683,112.951 240.888,112.951 273.826,145.889 273.826,148.053 v1(274.272,148.5)
  Bottom Layer w0.254: Q7.1@202.63,63.43 202.89,63.17 202.89,62.76 204.877,60.773 204.927,60.773 R8.2@205.2,60.5